# Altium PCB Gesturelink V1.PcbDoc (part 7 of 9)
Units mil, origin at the board's own origin, x right, y up, seen from the top; angles counter-clockwise.
Board outline 1574.8 x 1377.95 mil, 12 copper layers (SIG_1, GND_1, HI_SPEED_SIG_1, HI_SPEED_SIG_2, GND_2, PWR_1, PWR_2, GND_3, SIG_2, SIG_3, GND, SIG_4), stack 76.312 mil thick; 506 components, 440 nets, 2250 pads, 1330 vias.
Unrouted connection lines stored in the file: 20.
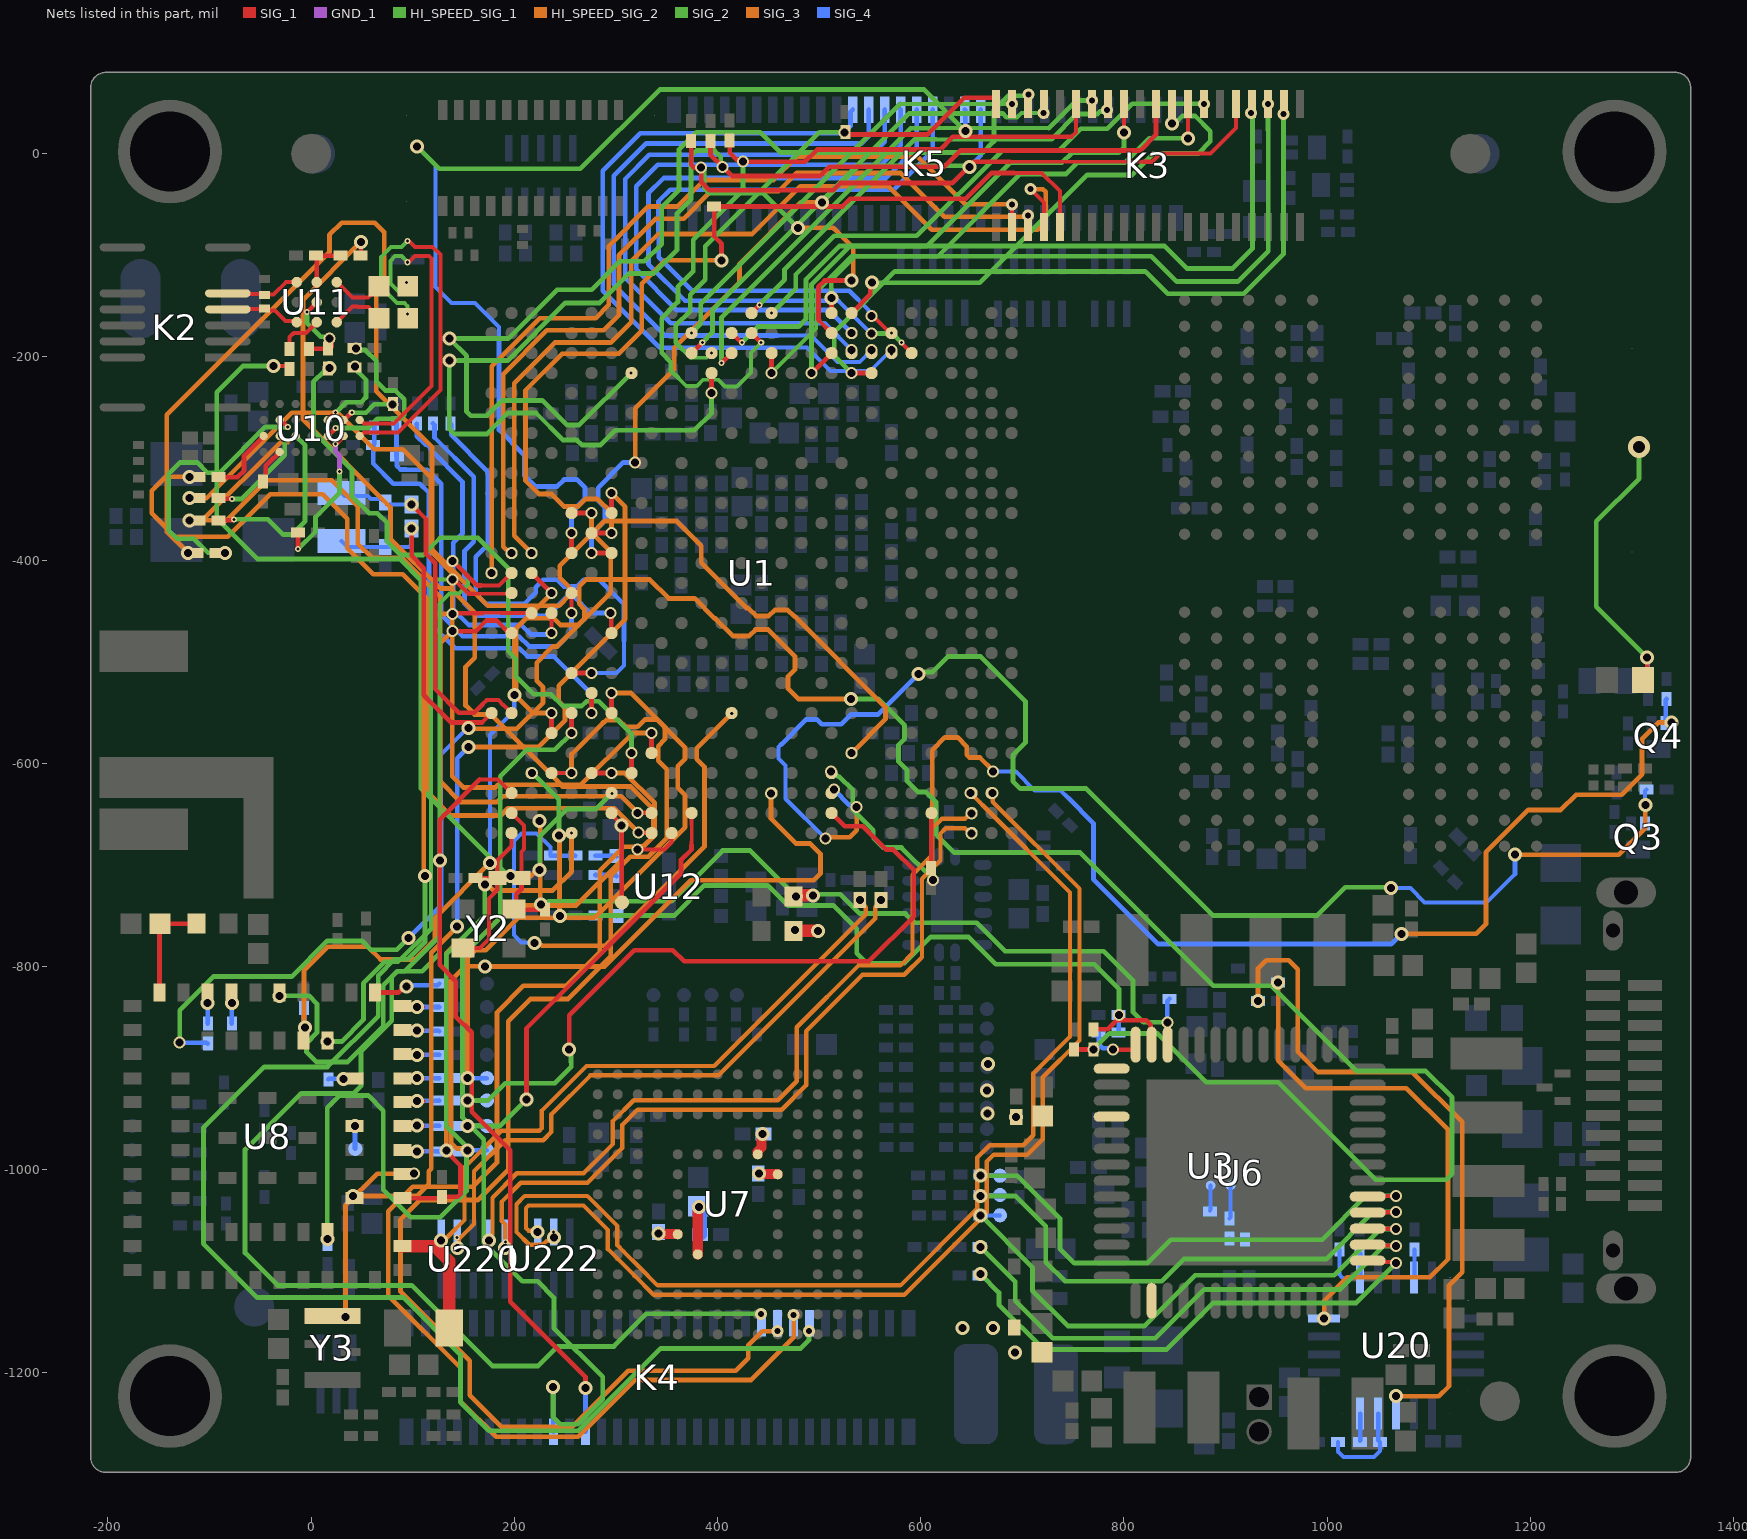
[diagram p17: the nets of this part, all layers, seen from the top]

## Nets (pads, with @x,y where several pads share a name; then routed paths per layer and width w, separated by ;. In a path a pad name is that pad's centre, name@x,y a point inside that pad or via, vN(x,y) a via of type N, cw(c..) or ccw(c..) an arc to the next point about the centre after c; other vN are vias at no path point) (continued)
NetR16_2: R16.2 U20.10 | length 671.3
  SIG_3 w4.63: v12(932,-833.99) 932,-801.99 940,-793.99 962,-793.99 971,-802.99 971,-883.99 991,-903.99 1084,-903.99 1133.13,-953.12 1133.13,-1100.86 1120,-1113.99 1120,-1212.99 1110,-1222.99 v7(1068,-1222.99)
NetR17_2: R17.2 U20.21 | length 24.3
  SIG_4 w4: R17.2@1032,-1081.99 1032.57,-1082.56 U20.21@1032.57,-1106.06
NetR18_2: R18.2 U20.19 U20.20 | length 28.4
  SIG_4 w4: R18.2@1012,-1078.83 1012,-1103.21 U20.20@1014.85,-1106.06
NetR19_2: R19.2 U20.18 | length 555.7
  SIG_3 w4.63: v12(951.84,-815.99) 951.84,-892.99 978.84,-919.99 1078,-919.99 1119,-960.99 1119,-1087.99 1101,-1105.99 1020,-1105.99 997.13,-1128.86 v12(997.13,-1146.42)
NetR20_1: R20.1 R21.2 | length 15.4
  SIG_4 w4: R20.1@904,-1067.68 905,-1068.68 R21.2@919,-1068.68
NetR20_2: R20.2 U3.A1 | length 32.7
  SIG_4 w4: R20.2@904,-1047.99 905,-1046.99 U3.A1@905,-1015.68
NetR22_1: R22.1 U3.B1 | length 24.5
  SIG_4 w4: R22.1@884.84,-1039.99 885.31,-1039.52 U3.B1@885.31,-1015.68
NetR30_2: R30.2 U6.30 | length 511
  SIG_1 w4: U6.30@1039.87,-1089.62 1040.98,-1090.74 1066.89,-1090.74 v9(1068,-1091.85)
  SIG_2 w4.67: v7(659,-1102.99) 677,-1120.99 677,-1132.99 721,-1176.99 842,-1176.99 887.75,-1131.24 1028.61,-1131.24 v9(1068,-1091.85)
NetR31_2: R31.2 U6.31 | length 523.5
  SIG_1 w4: U6.31@1039.87,-1073.87 1040.48,-1074.49 1067.39,-1074.49 v9(1068,-1075.1)
  SIG_2 w4.67: v7(659,-1076.2) 693,-1110.2 693,-1128.99 730,-1165.99 831,-1165.99 879,-1117.99 1013,-1117.99 1055.89,-1075.1 v9(1068,-1075.1)
NetR32_2: R32.2 TP30.12 U6.32 | length 554.7
  SIG_1 w4: U6.32@1039.87,-1058.13 1039.98,-1058.24 1067.89,-1058.24 v9(1068,-1058.35)
  SIG_2 w4.67: v7(658.84,-1044.99) 710,-1096.15 710,-1118.99 745,-1153.99 820,-1153.99 870,-1103.99 1007,-1103.99 1052.64,-1058.35 v9(1068,-1058.35)
  SIG_4 w4: v7(658.84,-1044.99) TP30.12@678,-1044.99
NetR33_2: R33.2 TP31.12 U6.33 | length 540.7
  SIG_1 w4: U6.33@1039.87,-1042.38 1040.25,-1041.99 1067.61,-1041.99 v9(1068,-1041.61)
  SIG_2 w4.67: v7(659,-1025.99) 693.39,-1025.99 710,-1042.61 723,-1055.61 723,-1090.99 742,-1109.99 837,-1109.99 859,-1087.99 999,-1087.99 1045.39,-1041.61 v9(1068,-1041.61)
  SIG_4 w4: v7(659,-1025.99) 660,-1024.99 TP31.12@678,-1024.99
NetR34_2: R34.2 TP32.12 U6.34 | length 537.5
  SIG_1 w4.2: U6.34@1039.87,-1026.63 1039.87,-1026.99 1040.79,-1026.07 v9@1068,-1026.07
  SIG_2 w4.67: v7(658.84,-1005.99) 695,-1005.99 737,-1047.99 737,-1077.99 751,-1091.99 823,-1091.99 846,-1068.99 995,-1068.99 1038.13,-1025.86 v9(1068,-1025.86)
  SIG_4 w4: R34.2@659.34,-1005.49 677.5,-1005.49 TP32.12@678,-1005.99
NetR35_2: R35.2 U6.54 | length 855.4
  SIG_1 w4.58: v1(842.64,-855.27) 842.64,-876.65 U6.54@843.02,-877.02
  SIG_2 w4.67: v8(226,-738.99) 227.74,-737.25 232.03,-737.25 233.29,-735.99 355,-735.99 405,-685.99 432,-685.99 475,-728.99 521,-728.99 540,-747.99 585,-747.99 594,-756.99 655,-756.99 683,-784.99 780,-784.99 809,-813.99 809,-844.99 819,-854.99 842.36,-854.99 v1(842.64,-855.27)
  SIG_3 w4.63: v8(225,-656.99) 225.5,-657.49 225.5,-738.49 v8(226,-738.99)
  SIG_4 w4.58: v1(842.64,-855.27) 842.64,-834.19 R35.2@844.84,-831.99
NetR36_1: R36.1 R39.1 U1.AB4 | length 1915.2
  SIG_1 w4.58: U1.AB4@236.62,-570.31 v1(236.59,-550.66) ; R39.1@751,-881.83 769.84,-881.83 v9(770,-881.68)
  HI_SPEED_SIG_2 w4.67: v1(236.59,-550.66) 218.67,-550.66 202,-533.99 202,-466.99 211.73,-457.26 238.6,-457.26 245.28,-463.94 263.05,-463.94 269,-457.99 269,-448.3 263.8,-443.09 263.8,-425.99 270.51,-419.28 333.29,-419.28 351.84,-437.83 377.46,-437.83 397.29,-457.65 397.88,-457.65 414.96,-474.73 431.22,-474.73 437.46,-468.49 449.96,-468.49 476.24,-494.78 476.24,-507.86 469.45,-514.66 469.45,-526.59 479.61,-536.75 v34(531.4,-536.75)
  SIG_2 w4.67: v34(531.4,-536.75) 558.27,-536.75 584.04,-562.53 584.04,-575.98 578.18,-581.84 578.18,-598.54 586.59,-606.95 586.59,-617.58 597.41,-628.4 605.41,-628.4 615,-637.99 615,-669.99 633,-687.99 757,-687.99 888,-818.99 945,-818.99 1029,-902.99 1097,-902.99 1123,-928.99 1123,-1003.99 1117,-1009.99 1048,-1009.99 952,-913.99 881,-913.99 833,-865.99 785.69,-865.99 v9(770,-881.68)
NetR36_2: R36.2 U6.55 | length 81.9
  SIG_1 w4.58: R36.2@770,-861.99 784,-861.99 793,-852.99 822,-852.99 826.49,-857.49 826.49,-876.25 U6.55@827.27,-877.02
NetR37_1: R37.1 R40.1 U1.AD3 | length 834.2
  SIG_2 w4.67: v1(217.47,-609.52) 243.63,-635.69 243.63,-651.99 244,-652.36 v8(244,-670.99) ; v8(245,-750.22) 245.22,-749.99 357.46,-749.99 387.12,-720.33 449.46,-720.33 469.12,-739.99 514,-739.99 537,-762.99 537,-786.99 547,-796.99 584,-796.99 610,-770.99 647,-770.99 674,-797.99 771,-797.99 795.04,-822.03 v63(795.04,-847.95)
  SIG_3 w4.63: v8(244,-670.99) 244.5,-671.49 244.5,-749.72 v8(245,-750.22)
  SIG_4 w4.58: R40.1@794.84,-847.99 794.84,-863.83 R37.1@795,-863.99
NetR37_2: R37.2 U6.56 | length 53.9
  SIG_1 w4.58: v1(789,-882.01) 809.09,-882.01 811.52,-879.58 U6.56@811.52,-877.02
  SIG_4 w4.58: R37.2@775.16,-864.99 775.16,-876.78 779.01,-880.62 787.62,-880.62 v1(789,-882.01)
NetR66_2: R66.2 TP40.12 U1.AF7 U8.4 | length 637.9
  SIG_1 w4: U1.AF7@295.34,-649.39 295.34,-649.95 305.57,-660.18 v31(305.57,-661.41)
  SIG_1 w4.2: U8.4@89.73,-1028.11 R66.2@129,-1028.11
  SIG_1 w4.58: R66.2@129,-1026.83 144.32,-1026.83 147,-1024.15 147,-996.05 133,-982.05 v31(133,-980.99) ; v31(305.57,-661.41) 305.79,-661.62 305.79,-736.78 TP40.12@306,-736.99
  HI_SPEED_SIG_2 w4.63: 225,-739.99 261,-739.99
  HI_SPEED_SIG_2 w4.67: v31(133,-980.99) 133,-786.99 144,-775.99 162,-775.99 198,-739.99 225,-739.99 ; 261,-739.99 305.57,-695.42 v31(305.57,-661.41)
NetR67_2: R67.2 U1.AG5 U8.68 | length 836.4
  HI_SPEED_SIG_1 w4.63: v2(16.07,-1068.32) 16,-1068.25 16,-938.99 28,-926.99 56,-926.99 71,-941.99 71,-1019.99 98,-1046.99 127,-1046.99 153,-1020.99 153,-977.54 133,-957.54 133,-787.99 171,-749.99 171,-719.66 v47(171.33,-719.33)
  HI_SPEED_SIG_2 w4.67: v47(171.33,-719.33) 173.55,-719.33 179.44,-725.22 237.78,-725.22 256.31,-706.69 v62(256.31,-668.74)
  other v3: 256.31,-668.74
  other v4: 256.31,-668.74
NetR73_2: R73.2 U8.6 | length 42.9
  SIG_1 w4.58: U8.6@89.73,-980.87 90.3,-981.43 109.44,-981.43 v2@110,-981.99
  SIG_4 w4.58: v2(104.03,-981.99) R73.2@126.15,-981.99
NetR74_2: R74.2 U8.7 | length 42.7
  SIG_1 w4.58: U8.7@89.73,-957.24 89.96,-957.02 109.77,-957.02 v2@110,-956.79
  SIG_4 w4.58: v2(104.03,-956.79) 104.13,-956.89 126.05,-956.89 R74.2@126.15,-956.99
NetR75_2: R75.2 U8.8 | length 43.6
  SIG_1 w4.58: U8.8@89.73,-933.62 90.3,-933.06 109.93,-933.06 v2@110.5,-932.49
  SIG_4 w4.58: v2(104.03,-932.49) 104.28,-932.24 125.9,-932.24 R75.2@126.15,-931.99
NetR76_2: R76.2 U8.9 | length 42.5
  SIG_1 w4.58: U8.9@89.73,-910.2 89.83,-910.09 109.9,-910.09 v2@110,-909.99
  SIG_4 w4.58: v2(104.03,-909.99) R76.2@126.15,-909.99
NetR77_2: R77.2 U8.10 | length 42.6
  SIG_1 w4.58: U8.10@89.73,-886.38 90.04,-886.68 109.69,-886.68 v2@110,-886.99
  SIG_4 w4.58: v2(104.03,-886.99) R77.2@126.15,-886.99
NetR78_2: R78.2 U8.11 | length 42.9
  SIG_1 w4.58: U8.11@89.73,-862.76 89.85,-862.87 109.88,-862.87 v2@110,-862.99
  SIG_4 w4.58: v2(104.03,-862.99) 104.53,-863.49 125.65,-863.49 R78.2@126.15,-863.99
NetR79_2: R79.2 U8.12 | length 42.8
  SIG_1 w4.58: U8.12@89.73,-839.13 90.18,-839.58 109.59,-839.58 v2@110.03,-840.02
  SIG_4 w4.58: v2(104.03,-840.02) R79.2@126.15,-839.99
NetR80_2: R80.2 U8.13 | length 66.8
  SIG_1 w4.58: U8.13@62.96,-825.75 85.75,-825.75 91.51,-819.99 v2(94,-819.99)
  SIG_4 w4.58: v2(94,-819.99) 95.5,-818.49 124.66,-818.49 R80.2@126.16,-816.99
NetR82_2: R82.2 U8.19 | length 30.7
  SIG_1 w4.58: U8.19@-78.38,-825.75 -78,-826.13 v2(-78,-835.99)
  SIG_4 w4.58: R82.2@-78,-856.31 v2(-78,-835.99)
NetR83_1: R83.1 U1.L5 | length 887.8
  SIG_1 w4.58: U1.L5@256.31,-353.78 v1(275.99,-353.78)
  SIG_2 w4.67: v1(-129.42,-874.99) -129.42,-843.3 -96.12,-809.99 -19,-809.99 16,-774.99 50.12,-774.99 58.7,-783.58 84.41,-783.58 v7(96,-771.99)
  SIG_3 w4.63: v12(155,-565.21) 155.78,-565.99 202.56,-565.99 228.28,-540.27 228.28,-525.27 222,-518.99 222,-500.99 237.88,-485.11 242.1,-485.11 295,-432.21 295,-392.01 275.99,-373 v1(275.99,-353.78)
  SIG_4 w4: 128,-641.99 128,-591.35 153.1,-566.25 154.74,-566.25 155,-565.99 v12(155,-565.21)
  SIG_4 w4.58: v1(-129.42,-874.99) -102.62,-874.99 R83.1@-101.62,-875.99 ; v7(96,-771.99) 128,-739.99 128,-641.99
NetR83_2: R83.2 U8.20 | length 30.7
  SIG_1 w4.58: v2(-102,-835.99) U8.20@-102,-825.75
  SIG_4 w4.58: v2(-102,-835.99) -101.81,-836.18 -101.81,-856.12 R83.2@-101.62,-856.31
NetR90_1: R90.1 U1.P3 U8.52 | length 643
  SIG_1 w4.58: U1.P3@216.94,-412.83 v1(236.62,-432.52)
  SIG_3 w4.63: v2@-7,-859.99 -7,-803.99 16.25,-780.74 55.84,-780.74 68.29,-793.2 101.88,-793.2 121.97,-773.11 121.97,-752.02 v12(176,-697.99) ; v12(200,-532.99) 200,-469.14 v1(236.62,-432.52)
  SIG_4 w4: v12(176,-697.99) 176,-571.99 200,-547.99
  SIG_4 w4.58: v2@-7,-859.99 R90.1@-7,-840.99 ; 200,-547.99 v12(200,-532.99)
  other v2: -6,-859.99
NetR91_1: R91.1 U8.50 | length 14.8
  SIG_4 w4.58: R91.1@17,-911.15 17.43,-910.72 v2(31.63,-910.72)
NetR103_2: R103.2 R107.1 U11.C2 | length 50.9
  SIG_1 w4.58: U11.C2@5.58,-126.5 5.58,-101.5 R107.1@4.58,-100.5 R103.2@29.06,-100.5
NetR104_2: R104.2 R106.2 U11.B2 | length 83.1
  SIG_1 w4.58: v3(-4,-155.99) -4,-155.88 5.58,-146.3 U11.B2@5.58,-146.18 ; R106.2@1,-192.15 18.13,-192.15 20,-190.28 v1@20,-181.99
  HI_SPEED_SIG_1 w4.63: v3(-4,-155.99) -4,-166.99 9.25,-180.24 18.25,-180.24 v1@20,-181.99
  other v1: 18,-181.99
  other v4: -4,-155.99
NetR105_2: R105.2 U11.A2 | length 44.4
  SIG_1 w4: R105.2@-21.26,-192.15 -21.26,-180.73 -17.11,-176.58 -5.13,-176.58 -0.48,-171.93
  SIG_1 w4.58: -0.48,-171.93 U11.A2@5.58,-165.87
NetR109_2: R109.2 U10.A6 | length 35.5
  SIG_1 w4.63: R109.2@-47.26,-322.5 -44.65,-319.89 -44.65,-307.39 -41,-303.74 U10.A6@-31,-293.74
NetR110_2: R110.2 U10.B2 | length 149.2
  SIG_1 w4.63: v3(-13,-388.99) -12.84,-388.83 R110.2@-12.84,-372.99 ; v3(24,-285.99) U10.B2@31.99,-277.99
  GND_1 w4.67: v3(24,-285.99) 24,-293.69 28,-297.69 v4(28,-312.99)
  HI_SPEED_SIG_1 w4.63: v3(-13,-388.99) -12.63,-388.99 4.3,-372.07 4.3,-357.7 28,-333.99 v4(28,-312.99)
  other v4: -13,-388.99
NetR111_2: R111.2 U10.B3 | length 179.7
  SIG_1 w4.63: U10.B3@16.24,-277.99 16.24,-277.87 24.01,-270.1 v4(24.01,-269.98)
  HI_SPEED_SIG_1 w4.63: v4(24.01,-269.98) 56.02,-269.98 61,-264.99 ; 68.5,-228.49 73.25,-233.24 83.05,-233.24 91.72,-241.91 91.72,-257.27 88,-260.99
  HI_SPEED_SIG_1 w4.67: v5(44.02,-191.91) 45.38,-193.27 50.2,-193.27 50.32,-193.39 53.4,-193.39 64,-203.99 64,-223.99 68.5,-228.49 ; 61,-264.99 65,-260.99 88,-260.99
  other v3: 24.01,-269.98
NetR112_2: R112.2 U10.B5 | length 184.9
  SIG_1 w4.63: R112.2@-91.08,-360.99 -77.47,-360.99 -76.47,-359.99 v4(-76.1,-359.99)
  HI_SPEED_SIG_1 w4.63: v4(-76.1,-359.99) -42.5,-359.99 -27.5,-374.99 -19,-374.99 -6,-361.99 -6,-287.24 v3(-15.25,-277.99)
  other v3: -76.1,-359.99
  other v4: -15.25,-277.99
NetR113_2: R113.2 U10.B6 | length 104.4
  SIG_1 w4.63: R113.2@-91.08,-338.99 -90.34,-339.73 -78.26,-339.73 v4(-78,-339.99)
  HI_SPEED_SIG_1 w4.63: v4(-78,-339.99) -69,-339.99 -26,-296.99 -26,-282.99
  HI_SPEED_SIG_1 w4.67: v4(-31,-277.99) -26,-282.99
  other v3: -78,-339.99 -31,-277.99
NetR114_2: R114.2 U10.B7 | length 69.7
  SIG_1 w4.63: R114.2@-91.08,-318.49 -72.5,-318.49 -66,-311.99 -66,-297.24 U10.B7@-46.75,-277.99
NetR115_1: R115.1 U10.C2 | length 51.8
  SIG_1 w4.63: U10.C2@33.91,-260.67 35.9,-258.68 ; 35.94,-258.68 39.63,-254.99 v3(40,-254.99)
  HI_SPEED_SIG_1 w4.63: 54,-254.99 62.22,-246.77 v5(80,-246.77)
  HI_SPEED_SIG_1 w4.67: v3(40,-254.99) 54,-254.99
  other v4: 40,-254.99
NetR116_1: R116.1 U10.C3 | length 82
  SIG_1 w4.63: U10.C3@17.21,-262.24 17.21,-261.53 23.75,-254.99 v4(24,-254.99)
  HI_SPEED_SIG_1 w4.63: v4(24,-254.99) 34.33,-244.66 42.33,-244.66 ; v5@41.1,-209.74 54,-222.64 54,-231.99
  HI_SPEED_SIG_1 w4.67: 42.33,-244.66 49.33,-244.66 54,-239.99 54,-231.99
  other v3: 24,-254.99
  other v5: 43.1,-209.74
NetR141_1: R141.1 U12.8 | length 21.2
  SIG_4 w4.58: R141.1@279.68,-690.99 300.22,-690.99 U12.8@300.69,-691.46
NetR142_1: R142.1 U12.7 | length 21.5
  SIG_4 w4.58: R142.1@279.68,-709.99 299.54,-709.99 U12.7@300.69,-711.15
NetR143_1: R143.1 U12.5 | length 21.1
  SIG_4 w4.58: R143.1@279.84,-749.99 300.17,-749.99 U12.5@300.69,-750.52
NetR157_1: R157.1 U1.AF23 | length 54.4
  SIG_1 w4.58: R157.1@610,-703.15 610.32,-702.83 610.32,-649.37 U1.AF23@610.64,-649.06
NetR168_1: R168.1 U10.C6 | length 275.2
  SIG_1 w4.63: U10.C6@-31,-262.24 -30.12,-262.24 -23.37,-268.99 v4(-23,-268.99)
  HI_SPEED_SIG_1 w4.63: v2(-85,-392.99) -101.5,-392.99 -115.5,-378.99 -132,-378.99 -140,-370.99 -140,-314.99 -129,-303.99 -112,-303.99 -102,-313.99 -90,-313.99 -45,-268.99 v4(-23,-268.99)
  other v3: -23,-268.99
NetR173_1: R173.1 U20.24 | length 27.9
  SIG_4 w4: U20.24@1085.72,-1106.06 1085.72,-1105.71 1085,-1104.99 1085.86,-1104.13 1085.86,-1078.98 R173.1@1086,-1078.83
NetR174_1: R174.1 U20.12 | length 27.2
  SIG_4 w4: R174.1@1032.16,-1266.99 1032.57,-1266.58 U20.12@1032.57,-1239.92
NetR174_2: R174.2 R175.1 U20.11 | length 93.3
  SIG_4 w4: R175.1@1010.69,-1267.99 1010.69,-1277.68 1016,-1282.99 1046,-1282.99 1051.84,-1277.15 R174.2@1051.84,-1267.99 1050.28,-1266.43 U20.11@1050.28,-1239.92
NetTP_12: TP.12 U8.48 | length 24.7
  SIG_4 w4.58: v2@43,-958.99 v2(43,-956.99) 43.24,-957.24 43.24,-979.24 TP.12@43.49,-979.49
NetU1_L7: U1.L7 U8.45 | length 910.3
  SIG_1 w4.58: U1.L7@295.68,-353.78 v1(295.68,-334.21)
  HI_SPEED_SIG_2 w4.67: v31(41,-1025.99) 104,-1025.99 115.76,-1014.23 115.76,-1001.67 118.25,-999.17 118.25,-786.42 v20(143.76,-760.91)
  SIG_3 w4.63: v12(155,-583.99) 223.93,-583.99 249.81,-558.12 249.81,-545.19 243.59,-538.97 243.59,-523.7 309,-458.28 309,-347.53 v1(295.68,-334.21)
  SIG_4 w4.58: v20(143.76,-760.91) 143.76,-595.23 v12(155,-583.99)
NetU1_P2: U1.P2 U8.17 | length 768.1
  SIG_1 w3.6: 167.59,-425.16 184.93,-425.16 U1.P2@197.25,-412.83
  SIG_1 w4.58: v5(139,-400.99) 139.47,-400.99 163.64,-425.16 167.59,-425.16
  HI_SPEED_SIG_1 w3.7: 126.3,-770.7 126.3,-442.7
  HI_SPEED_SIG_1 w4: 126.3,-442.7 136,-432.99 145.5,-432.99 154.25,-424.24 154.25,-415.74 v5@139.51,-400.99
  HI_SPEED_SIG_1 w4.63: v2(-31,-828.99) -2,-828.99 5.7,-836.7 5.7,-865.25 -4.5,-875.46 -4.5,-884.49 5,-893.99 35.91,-893.99 71,-858.91 71,-818.73 84.88,-804.85 92.15,-804.85 126.3,-770.7 ; v5(139,-400.99) v5@139.51,-400.99
NetU1_R2: U1.R2 U8.51 | length 594.8
  SIG_1 w3.6: 160.24,-433.24 U1.R2@196.53,-433.24
  SIG_1 w4.58: v5(139,-419.18) 140.85,-419.18 154.9,-433.24 160.24,-433.24 ; U1.R2@196.53,-433.24 U1.R2@197.25,-432.52
  HI_SPEED_SIG_1 w3.7: 118,-762.99 118,-424.99
  HI_SPEED_SIG_1 w4: 118,-424.99 123.81,-419.18 v5(139,-419.18)
  HI_SPEED_SIG_1 w4.63: v2(16,-873.99) 30,-873.99 51.5,-852.49 51.5,-816.49 72.5,-795.49 85.5,-795.49 118,-762.99
NetU6_1: U6.1
NetU8_5: U8.5 Y3.3 | length 191.3
  SIG_2 w4.67: v22(101,-1003.99) v22@102,-1004.99
  SIG_3 w4.67: v22(33.82,-1144.98) 33.82,-1035.17 65,-1003.99 v22(101,-1003.99)
NetU20_1,26: U20.1 U20.26
OSC32_IN: C1.2 R1.1 U1.AA2 Y1.1 | length 360.1
  SIG_1 w3.94: 168.86,-541.91 172.46,-538.3 ; 172.5,-538.3 172.81,-537.99 184.48,-537.99 189.02,-542.53 189.15,-542.53 U1.AA2@197.25,-550.63
  SIG_1 w4.58: v2(98.86,-345.46) 113.04,-359.64 113.04,-394.03 122,-402.99 122,-526.99 145.19,-550.19 160.58,-550.19 168.86,-541.91
  SIG_4 w4: Y1.1@29.86,-333.89 32.96,-336.99 56,-336.99 59,-339.99 69.47,-339.99 C1.2@73,-343.52 74.94,-345.46 v2(98.86,-345.46)
OSC32_OUT: C2.2 R1.2 U1.AA1 Y1.2 | length 338.5
  SIG_1 w3.94: 168.2,-559.99 U1.AA1@177.57,-550.63
  SIG_1 w4.58: v2(98.86,-369.09) 98.86,-395.85 111,-407.99 111,-532.99 138,-559.99 168.2,-559.99
  SIG_4 w4: Y1.2@29.86,-381.13 35.72,-386.99 C2.2@73,-386.99 96.52,-386.99 98.86,-384.65 v2(98.86,-369.09)
OSC_IN: C3.2 R2.1 U1.AG2 Y2.1 | length 164.2
  SIG_1 w4: Y2.1@149.3,-781.88 166.11,-781.88 175,-772.99 175,-732.99 183.19,-724.8 R2.1@183.19,-712.99 ; C3.2@161.84,-712.99 R2.1@183.19,-712.99 ; U1.AG2@197.25,-668.74 197.25,-681.74 183.19,-695.8 R2.1@183.19,-712.99
OSC_OUT: C4.2 R2.2 U1.AF2 Y2.3 | length 134.7
  SIG_1 w3.94: U1.AF2@197.25,-649.06 209.63,-661.43 209.63,-684.62 206.81,-687.43 R2.2@206.81,-712.99
  SIG_1 w4.67: R2.2@206.81,-712.99 207,-713.18 207,-723.99 202,-728.99 202,-740.99 Y2.3@199.5,-743.49 200.16,-744.15 C4.2@230,-744.15
PA_GAIN: R105.1 U1.AE7 | length 914
  SIG_1 w4: v2(-37,-208.99) -22.45,-208.99 R105.1@-21.85,-209.59
  HI_SPEED_SIG_1 w4.63: v47(225,-704.99) 225,-671.99 252,-644.99 280.6,-644.99 v3(295.91,-629.68)
  HI_SPEED_SIG_2 w4.67: v34(196,-710.99) 216.53,-710.99 222.53,-704.99 v47(225,-704.99)
  SIG_2 w4.67: v2(-37,-208.99) -67,-208.99 -93,-234.99 -93,-358.99 -53,-398.99 87,-398.99 107.83,-419.82 107.83,-624.82 194,-710.99 v34(196,-710.99)
  other v4: 295.91,-629.68
PA_SHDN: R103.1 U1.AG10 | length 894.1
  SIG_1 w4: R103.1@48.74,-100.5 49,-100.24 v2(49,-86.99) ; v10(321,-684.99) 348,-684.99 354.73,-678.26 U1.AG10@354.73,-668.74
  HI_SPEED_SIG_2 w4.67: v2(49,-86.99) -8,-143.99 -8,-261.99 78,-347.99 78,-378.99 127,-427.99 137,-427.99 161,-451.99 161,-495.99 152,-504.99 152,-543.12 160.88,-551.99 176.54,-551.99 247.47,-622.92 314.24,-622.92 337,-645.69 337,-671.99 327.6,-681.39 326.54,-681.39 322.93,-684.99 v10(321,-684.99)
PA_SHDN_MODE: R104.1 U1.AD8 | length 648.7
  SIG_1 w4.58: U1.AD8@315.35,-609.67 v1(315.34,-590.02)
  HI_SPEED_SIG_1 w4: 110.01,-394.98 126.84,-378.15
  HI_SPEED_SIG_1 w4.63: v2@20,-210.99 17.52,-210.99 14.35,-214.16 12.86,-214.16 2.3,-224.73 2.3,-273.29 40.15,-311.14 40.15,-337.14 57,-353.99 65.29,-353.99 74.7,-363.41 74.7,-381.81 87.87,-394.98 110.01,-394.98 ; 126.84,-378.15 164.16,-378.15 194,-407.99 194,-489.99 201.5,-497.49 201.5,-514.49 219,-531.99 236,-531.99 247.7,-543.7 266.35,-543.7 271.11,-538.94 282.94,-538.94 315.34,-571.33 v1(315.34,-590.02)
  other v2: 18,-210.99
PCIE_CLKIN_N: U1.AE26 U222.1 | length 1073.8
  HI_SPEED_SIG_2 w4.3: v11(222.85,-1061.44) 221.47,-1060.06 213.97,-1060.06 211.45,-1057.54 211.45,-1037.86 213.97,-1035.34 268.05,-1035.34 292.12,-1059.41 292.12,-1078.27 301.42,-1087.57 318.15,-1104.29 337.15,-1123.29 583.85,-1123.29 665,-1042.15 665,-991.99 671.7,-985.29 704.85,-985.29 720,-970.15 720,-909.15 756.22,-872.92 756.22,-723.43 670.87,-638.07 670.87,-629.54 v1(670.69,-629.37)
  other v20: 222.85,-1061.44
PCIE_CLKIN_P: U1.AE25 U222.2 | length 1114.9
  HI_SPEED_SIG_2 w4.3: v20(239.22,-1066.99) 236.65,-1066.99 233.32,-1070.32 231.71,-1070.32 228.05,-1073.98 214.73,-1073.98 202.14,-1061.39 202.14,-1034.01 210.11,-1026.04 271.9,-1026.04 301.42,-1055.56 301.42,-1074.41 308,-1080.99 322,-1094.99 341,-1113.99 580,-1113.99 655.7,-1038.29 655.7,-988.14 667.84,-975.99 701,-975.99 710.7,-966.29 710.7,-905.29 746.92,-869.07 746.92,-727.28 661.56,-641.92 658.23,-638.59 v1(649.01,-629.37)
  other v11: 238.6,-1061.44
PCIE_RX_N: U1.AF25 U220.9 | length 777
  HI_SPEED_SIG_2 w4.3: v20(175,-1069.99) 175,-1067.43 178.47,-1063.96 178.47,-1027.63 202.41,-1003.69 268.15,-1003.69 297,-974.84 297,-952.14 317.45,-931.69 459.3,-931.69 478,-912.99 478,-859.84 538.84,-798.99 580,-798.99 591.92,-787.07 591.92,-709.91 610.18,-691.65 610.18,-665.33 620.86,-654.65 643.63,-654.65 648.98,-649.3 v1(649.91,-649.3)
  other v11: 174.84,-1071.4
PCIE_RX_P: U1.AG25 U220.10 | length 768.5
  HI_SPEED_SIG_2 w4.3: v20(191,-1076.99) 191,-1053.99 187.77,-1050.76 187.77,-1031.48 206.26,-1012.99 272,-1012.99 306.3,-978.69 306.3,-955.99 321.3,-940.99 463.16,-940.99 487.3,-916.85 487.3,-863.69 542.7,-808.29 583.85,-808.29 601.22,-790.92 601.22,-713.77 619.49,-695.5 619.49,-669.18 624.72,-663.95 643.63,-663.95 648.98,-669.3 v1(649.91,-669.3)